# Altium PCB Electronic Load 20251111.PcbDoc (part 5 of 6) (continued)
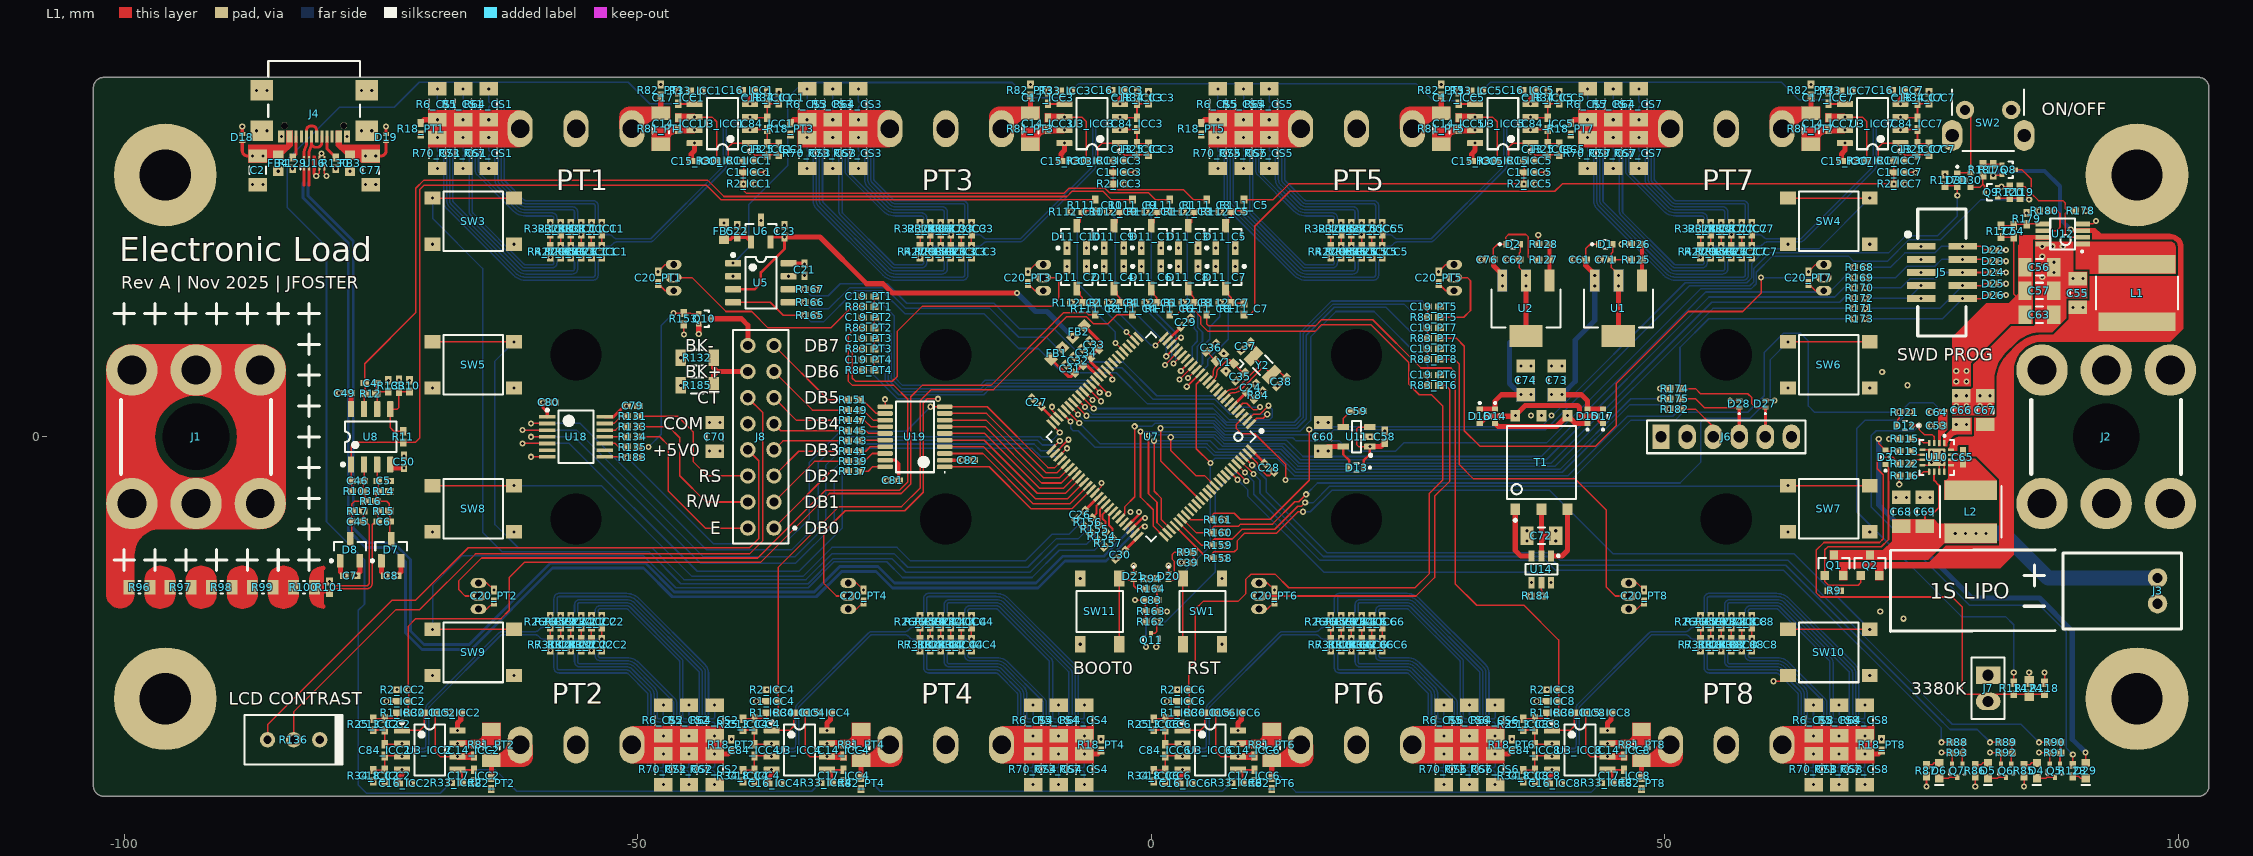
[diagram p0: L1 view]
## Nets (pads, with @x,y where several pads share a name; then routed paths per layer and width w, separated by ;. In a path a pad name is that pad's centre, name@x,y a point inside that pad or via, vN(x,y) a via of type N, cw(c..) or ccw(c..) an arc to the next point about the centre after c; other vN are vias at no path point) (continued)
SHUNT.SH3_CS2_N: NT8_CS2.1 R28_ICC2.2 | length 14.2
  L6 w0.15: v1(-55.5,-20.8) -55.791,-21.091 ccw(c-55.65,-21.233) -55.85,-21.233 -55.85,-21.9 ccw(c-55.65,-21.9) -55.65,-22.1 -51.083,-22.1 cw(c-51.083,-23.2) -50.305,-22.422 -48.422,-24.305 cw(c-49.2,-25.083) -48.1,-25.083 -48.1,-27.275 ccw(c-47.9,-27.275) -47.9,-27.475 -47.7,-27.475 ccw(c-47.7,-27.275) -47.5,-27.275 NT8_CS2.1@-47.5,-26.575
SHUNT.SH3_CS2_P: NT7_CS2.1 R35_ICC2.2 | length 28.1
  L6 w0.15: v1(-56.5,-17.45) -56.209,-17.159 ccw(c-56.35,-17.017) -56.15,-17.017 -56.15,-16.35 cw(c-55.65,-16.35) -55.65,-15.85 -51.083,-15.85 cw(c-51.083,-16.95) -50.305,-16.172 -43.846,-22.631 cw(c-44.2,-22.984) -43.7,-22.984 -43.7,-32.025 ccw(c-43.5,-32.025) -43.5,-32.225 -42.7,-32.225 ccw(c-42.7,-32.025) -42.5,-32.025 NT7_CS2.1@-42.5,-31.325
SHUNT.SH3_CS3_N: NT8_CS3.1 R28_ICC3.2 | length 14.2
  L6 w0.15: NT8_CS3.1@-28.5,26.575 -28.5,27.275 cw(c-28.3,27.275) -28.3,27.475 -28.1,27.475 cw(c-28.1,27.275) -27.9,27.275 -27.9,25.083 ccw(c-26.8,25.083) -27.578,24.305 -25.695,22.422 ccw(c-24.917,23.2) -24.917,22.1 -20.35,22.1 cw(c-20.35,21.9) -20.15,21.9 -20.15,21.233 cw(c-20.35,21.233) -20.209,21.091 v1(-20.5,20.8)
SHUNT.SH3_CS3_P: NT7_CS3.1 R35_ICC3.2 | length 28.1
  L6 w0.15: NT7_CS3.1@-33.5,31.325 -33.5,32.025 cw(c-33.3,32.025) -33.3,32.225 -32.5,32.225 cw(c-32.5,32.025) -32.3,32.025 -32.3,22.984 ccw(c-31.8,22.984) -32.154,22.631 -25.695,16.172 ccw(c-24.917,16.95) -24.917,15.85 -20.35,15.85 ccw(c-20.35,16.35) -19.85,16.35 -19.85,17.017 cw(c-19.65,17.017) -19.791,17.159 v1(-19.5,17.45)
SHUNT.SH3_CS4_N: NT8_CS4.1 R28_ICC4.2 | length 14.2
  L6 w0.15: v1(-19.5,-20.8) -19.791,-21.091 ccw(c-19.65,-21.233) -19.85,-21.233 -19.85,-21.9 ccw(c-19.65,-21.9) -19.65,-22.1 -15.083,-22.1 cw(c-15.083,-23.2) -14.305,-22.422 -12.422,-24.305 cw(c-13.2,-25.083) -12.1,-25.083 -12.1,-27.275 ccw(c-11.9,-27.275) -11.9,-27.475 -11.7,-27.475 ccw(c-11.7,-27.275) -11.5,-27.275 NT8_CS4.1@-11.5,-26.575
SHUNT.SH3_CS4_P: NT7_CS4.1 R35_ICC4.2 | length 28.1
  L6 w0.15: v1(-20.5,-17.45) -20.209,-17.159 ccw(c-20.35,-17.017) -20.15,-17.017 -20.15,-16.35 cw(c-19.65,-16.35) -19.65,-15.85 -15.083,-15.85 cw(c-15.083,-16.95) -14.305,-16.172 -7.846,-22.631 cw(c-8.2,-22.984) -7.7,-22.984 -7.7,-32.025 ccw(c-7.5,-32.025) -7.5,-32.225 -6.7,-32.225 ccw(c-6.7,-32.025) -6.5,-32.025 NT7_CS4.1@-6.5,-31.325
SHUNT.SH3_CS5_N: NT8_CS5.1 R28_ICC5.2 | length 14.2
  L6 w0.15: NT8_CS5.1@11.5,26.575 11.5,27.275 cw(c11.7,27.275) 11.7,27.475 11.9,27.475 cw(c11.9,27.275) 12.1,27.275 12.1,25.083 ccw(c13.2,25.083) 12.422,24.305 14.305,22.422 ccw(c15.083,23.2) 15.083,22.1 19.65,22.1 cw(c19.65,21.9) 19.85,21.9 19.85,21.233 cw(c19.65,21.233) 19.791,21.091 v1(19.5,20.8)
SHUNT.SH3_CS5_P: NT7_CS5.1 R35_ICC5.2 | length 28.1
  L6 w0.15: NT7_CS5.1@6.5,31.325 6.5,32.025 cw(c6.7,32.025) 6.7,32.225 7.5,32.225 cw(c7.5,32.025) 7.7,32.025 7.7,22.984 ccw(c8.2,22.984) 7.846,22.631 14.305,16.172 ccw(c15.083,16.95) 15.083,15.85 19.65,15.85 ccw(c19.65,16.35) 20.15,16.35 20.15,17.017 cw(c20.35,17.017) 20.209,17.159 v1(20.5,17.45)
SHUNT.SH3_CS6_N: NT8_CS6.1 R28_ICC6.2 | length 14.2
  L6 w0.15: v1(20.5,-20.8) 20.209,-21.091 ccw(c20.35,-21.233) 20.15,-21.233 20.15,-21.9 ccw(c20.35,-21.9) 20.35,-22.1 24.917,-22.1 cw(c24.917,-23.2) 25.695,-22.422 27.578,-24.305 cw(c26.8,-25.083) 27.9,-25.083 27.9,-27.275 ccw(c28.1,-27.275) 28.1,-27.475 28.3,-27.475 ccw(c28.3,-27.275) 28.5,-27.275 NT8_CS6.1@28.5,-26.575
SHUNT.SH3_CS6_P: NT7_CS6.1 R35_ICC6.2 | length 28.1
  L6 w0.15: v1(19.5,-17.45) 19.791,-17.159 ccw(c19.65,-17.017) 19.85,-17.017 19.85,-16.35 cw(c20.35,-16.35) 20.35,-15.85 24.917,-15.85 cw(c24.917,-16.95) 25.695,-16.172 32.154,-22.631 cw(c31.8,-22.984) 32.3,-22.984 32.3,-32.025 ccw(c32.5,-32.025) 32.5,-32.225 33.3,-32.225 ccw(c33.3,-32.025) 33.5,-32.025 NT7_CS6.1@33.5,-31.325
SHUNT.SH3_CS7_N: NT8_CS7.1 R28_ICC7.2 | length 14.2
  L6 w0.15: NT8_CS7.1@47.5,26.575 47.5,27.275 cw(c47.7,27.275) 47.7,27.475 47.9,27.475 cw(c47.9,27.275) 48.1,27.275 48.1,25.083 ccw(c49.2,25.083) 48.422,24.305 50.305,22.422 ccw(c51.083,23.2) 51.083,22.1 55.65,22.1 cw(c55.65,21.9) 55.85,21.9 55.85,21.233 cw(c55.65,21.233) 55.791,21.091 v1(55.5,20.8)
SHUNT.SH3_CS7_P: NT7_CS7.1 R35_ICC7.2 | length 28.1
  L6 w0.15: NT7_CS7.1@42.5,31.325 42.5,32.025 cw(c42.7,32.025) 42.7,32.225 43.5,32.225 cw(c43.5,32.025) 43.7,32.025 43.7,22.984 ccw(c44.2,22.984) 43.846,22.631 50.305,16.172 ccw(c51.083,16.95) 51.083,15.85 55.65,15.85 ccw(c55.65,16.35) 56.15,16.35 56.15,17.017 cw(c56.35,17.017) 56.209,17.159 v1(56.5,17.45)
SHUNT.SH3_CS8_N: NT8_CS8.1 R28_ICC8.2 | length 14.2
  L6 w0.15: v1(56.5,-20.8) 56.209,-21.091 ccw(c56.35,-21.233) 56.15,-21.233 56.15,-21.9 ccw(c56.35,-21.9) 56.35,-22.1 60.917,-22.1 cw(c60.917,-23.2) 61.695,-22.422 63.578,-24.305 cw(c62.8,-25.083) 63.9,-25.083 63.9,-27.275 ccw(c64.1,-27.275) 64.1,-27.475 64.3,-27.475 ccw(c64.3,-27.275) 64.5,-27.275 NT8_CS8.1@64.5,-26.575
SHUNT.SH3_CS8_P: NT7_CS8.1 R35_ICC8.2 | length 28.1
  L6 w0.15: v1(55.5,-17.45) 55.791,-17.159 ccw(c55.65,-17.017) 55.85,-17.017 55.85,-16.35 cw(c56.35,-16.35) 56.35,-15.85 60.917,-15.85 cw(c60.917,-16.95) 61.695,-16.172 68.154,-22.631 cw(c67.8,-22.984) 68.3,-22.984 68.3,-32.025 ccw(c68.5,-32.025) 68.5,-32.225 69.3,-32.225 ccw(c69.3,-32.025) 69.5,-32.025 NT7_CS8.1@69.5,-31.325
SHUNT.SH4_CS1_N: NT6_CS1.1 R29_ICC1.2 | length 27.7
  L6 w0.15: NT6_CS1.1@-69.5,33.425 -69.5,32.725 ccw(c-69.3,32.725) -69.3,32.525 -68.5,32.525 cw(c-68.5,32.025) -68,32.025 -68,22.984 ccw(c-67.8,22.984) -67.941,22.843 -61.483,16.384 ccw(c-60.917,16.95) -60.917,16.15 -56.35,16.15 ccw(c-56.35,16.35) -56.15,16.35 -56.15,17.017 ccw(c-56.35,17.017) -56.209,17.159 v1(-56.5,17.45)
SHUNT.SH4_CS1_P: NT5_CS1.1 R36_ICC1.2 | length 25.9
  L6 w0.15: NT5_CS1.1@-69.5,28.675 -69.5,27.975 ccw(c-69.3,27.975) -69.3,27.775 -69.1,27.775 cw(c-69.1,27.275) -68.6,27.275 -68.6,22.984 ccw(c-67.8,22.984) -68.366,22.419 -61.907,15.96 ccw(c-60.917,16.95) -60.917,15.55 -54.35,15.55 ccw(c-54.35,15.75) -54.15,15.75 -54.15,17.017 ccw(c-54.35,17.017) -54.208,17.158 v1(-54.5,17.45)
SHUNT.SH4_CS2_N: NT6_CS2.1 R29_ICC2.2 | length 27.7
  L6 w0.15: v1(-55.5,-17.45) -55.791,-17.159 cw(c-55.65,-17.017) -55.85,-17.017 -55.85,-16.35 cw(c-55.65,-16.35) -55.65,-16.15 -51.083,-16.15 cw(c-51.083,-16.95) -50.517,-16.384 -44.059,-22.843 cw(c-44.2,-22.984) -44,-22.984 -44,-32.025 ccw(c-43.5,-32.025) -43.5,-32.525 -42.7,-32.525 cw(c-42.7,-32.725) -42.5,-32.725 NT6_CS2.1@-42.5,-33.425
SHUNT.SH4_CS2_P: NT5_CS2.1 R36_ICC2.2 | length 25.9
  L6 w0.15: -57.792,-17.158 cw(c-57.65,-17.017) -57.85,-17.017 -57.85,-15.75 cw(c-57.65,-15.75) -57.65,-15.55 -51.083,-15.55 cw(c-51.083,-16.95) -50.093,-15.96 -43.634,-22.419 cw(c-44.2,-22.984) -43.4,-22.984 -43.4,-27.275 ; -57.791,-17.159 v1(-57.5,-17.45) ; -43.4,-27.275 ccw(c-42.9,-27.275) -42.9,-27.775 -42.7,-27.775 cw(c-42.7,-27.975) -42.5,-27.975 NT5_CS2.1@-42.5,-28.675
SHUNT.SH4_CS3_N: NT6_CS3.1 R29_ICC3.2 | length 27.7
  L6 w0.15: NT6_CS3.1@-33.5,33.425 -33.5,32.725 ccw(c-33.3,32.725) -33.3,32.525 -32.5,32.525 cw(c-32.5,32.025) -32,32.025 -32,22.984 ccw(c-31.8,22.984) -31.941,22.843 -25.483,16.384 ccw(c-24.917,16.95) -24.917,16.15 -20.35,16.15 ccw(c-20.35,16.35) -20.15,16.35 -20.15,17.017 ccw(c-20.35,17.017) -20.209,17.159 v1(-20.5,17.45)
SHUNT.SH4_CS3_P: NT5_CS3.1 R36_ICC3.2 | length 25.9
  L6 w0.15: NT5_CS3.1@-33.5,28.675 -33.5,27.975 ccw(c-33.3,27.975) -33.3,27.775 -33.1,27.775 cw(c-33.1,27.275) -32.6,27.275 -32.6,22.984 ccw(c-31.8,22.984) -32.366,22.419 -25.907,15.96 ccw(c-24.917,16.95) -24.917,15.55 -18.35,15.55 ccw(c-18.35,15.75) -18.15,15.75 -18.15,17.017 ccw(c-18.35,17.017) -18.208,17.158 v1(-18.5,17.45)
SHUNT.SH4_CS4_N: NT6_CS4.1 R29_ICC4.2 | length 27.7
  L6 w0.15: v1(-19.5,-17.45) -19.791,-17.159 cw(c-19.65,-17.017) -19.85,-17.017 -19.85,-16.35 cw(c-19.65,-16.35) -19.65,-16.15 -15.083,-16.15 cw(c-15.083,-16.95) -14.517,-16.384 -8.059,-22.843 cw(c-8.2,-22.984) -8,-22.984 -8,-32.025 ccw(c-7.5,-32.025) -7.5,-32.525 -6.7,-32.525 cw(c-6.7,-32.725) -6.5,-32.725 NT6_CS4.1@-6.5,-33.425
SHUNT.SH4_CS4_P: NT5_CS4.1 R36_ICC4.2 | length 25.9
  L6 w0.15: v1(-21.5,-17.45) -21.791,-17.159 cw(c-21.65,-17.017) -21.85,-17.017 -21.85,-15.75 cw(c-21.65,-15.75) -21.65,-15.55 -15.083,-15.55 cw(c-15.083,-16.95) -14.093,-15.96 -7.634,-22.419 cw(c-8.2,-22.984) -7.4,-22.984 -7.4,-27.275 ccw(c-6.9,-27.275) -6.9,-27.775 -6.7,-27.775 cw(c-6.7,-27.975) -6.5,-27.975 NT5_CS4.1@-6.5,-28.675
SHUNT.SH4_CS5_N: NT6_CS5.1 R29_ICC5.2 | length 27.7
  L6 w0.15: NT6_CS5.1@6.5,33.425 6.5,32.725 ccw(c6.7,32.725) 6.7,32.525 7.5,32.525 cw(c7.5,32.025) 8,32.025 8,22.984 ccw(c8.2,22.984) 8.059,22.843 14.517,16.384 ccw(c15.083,16.95) 15.083,16.15 19.65,16.15 ccw(c19.65,16.35) 19.85,16.35 19.85,17.017 ccw(c19.65,17.017) 19.791,17.159 v1(19.5,17.45)
SHUNT.SH4_CS5_P: NT5_CS5.1 R36_ICC5.2 | length 25.9
  L6 w0.15: NT5_CS5.1@6.5,28.675 6.5,27.975 ccw(c6.7,27.975) 6.7,27.775 6.9,27.775 cw(c6.9,27.275) 7.4,27.275 ; 7.4,27.275 7.4,22.984 ccw(c8.2,22.984) 7.634,22.419 14.093,15.96 ccw(c15.083,16.95) 15.083,15.55 21.65,15.55 ccw(c21.65,15.75) 21.85,15.75 21.85,17.017 ccw(c21.65,17.017) 21.792,17.158 ; v1(21.5,17.45) 21.791,17.159
SHUNT.SH4_CS6_N: NT6_CS6.1 R29_ICC6.2 | length 27.7
  L6 w0.15: v1(20.5,-17.45) 20.209,-17.159 cw(c20.35,-17.017) 20.15,-17.017 20.15,-16.35 cw(c20.35,-16.35) 20.35,-16.15 24.917,-16.15 cw(c24.917,-16.95) 25.483,-16.384 31.941,-22.843 cw(c31.8,-22.984) 32,-22.984 32,-32.025 ccw(c32.5,-32.025) 32.5,-32.525 33.3,-32.525 cw(c33.3,-32.725) 33.5,-32.725 NT6_CS6.1@33.5,-33.425
SHUNT.SH4_CS6_P: NT5_CS6.1 R36_ICC6.2 | length 25.9
  L6 w0.15: v1(18.5,-17.45) 18.209,-17.159 cw(c18.35,-17.017) 18.15,-17.017 18.15,-15.75 cw(c18.35,-15.75) 18.35,-15.55 24.917,-15.55 cw(c24.917,-16.95) 25.907,-15.96 32.366,-22.419 cw(c31.8,-22.984) 32.6,-22.984 32.6,-27.275 ccw(c33.1,-27.275) 33.1,-27.775 33.3,-27.775 cw(c33.3,-27.975) 33.5,-27.975 NT5_CS6.1@33.5,-28.675
SHUNT.SH4_CS7_N: NT6_CS7.1 R29_ICC7.2 | length 27.7
  L6 w0.15: NT6_CS7.1@42.5,33.425 42.5,32.725 ccw(c42.7,32.725) 42.7,32.525 43.5,32.525 cw(c43.5,32.025) 44,32.025 44,22.984 ccw(c44.2,22.984) 44.059,22.843 50.517,16.384 ccw(c51.083,16.95) 51.083,16.15 55.65,16.15 ccw(c55.65,16.35) 55.85,16.35 55.85,17.017 ccw(c55.65,17.017) 55.791,17.159 v1(55.5,17.45)
SHUNT.SH4_CS7_P: NT5_CS7.1 R36_ICC7.2 | length 25.9
  L6 w0.15: NT5_CS7.1@42.5,28.675 42.5,27.975 ccw(c42.7,27.975) 42.7,27.775 42.9,27.775 cw(c42.9,27.275) 43.4,27.275 43.4,22.984 ccw(c44.2,22.984) 43.634,22.419 50.093,15.96 ccw(c51.083,16.95) 51.083,15.55 57.65,15.55 ccw(c57.65,15.75) 57.85,15.75 57.85,17.017 ccw(c57.65,17.017) 57.792,17.158 v1(57.5,17.45)
SHUNT.SH4_CS8_N: NT6_CS8.1 R29_ICC8.2 | length 27.7
  L6 w0.15: v1(56.5,-17.45) 56.209,-17.159 cw(c56.35,-17.017) 56.15,-17.017 56.15,-16.35 cw(c56.35,-16.35) 56.35,-16.15 60.917,-16.15 cw(c60.917,-16.95) 61.483,-16.384 67.941,-22.843 cw(c67.8,-22.984) 68,-22.984 68,-32.025 ccw(c68.5,-32.025) 68.5,-32.525 69.3,-32.525 cw(c69.3,-32.725) 69.5,-32.725 NT6_CS8.1@69.5,-33.425
SHUNT.SH4_CS8_P: NT5_CS8.1 R36_ICC8.2 | length 25.9
  L6 w0.15: 54.208,-17.158 cw(c54.35,-17.017) 54.15,-17.017 54.15,-15.75 cw(c54.35,-15.75) 54.35,-15.55 60.917,-15.55 cw(c60.917,-16.95) 61.907,-15.96 68.366,-22.419 cw(c67.8,-22.984) 68.6,-22.984 68.6,-27.275 ccw(c69.1,-27.275) 69.1,-27.775 69.3,-27.775 cw(c69.3,-27.975) 69.5,-27.975 NT5_CS8.1@69.5,-28.675 ; 54.209,-17.159 v1(54.5,-17.45)
SHUNT.SH5_CS1_N: NT4_CS1.1 R3_ICC1.2 | length 19
  L6 w0.15: NT4_CS1.1@-67,33.425 -67,32.725 ccw(c-66.8,32.725) -66.8,32.525 -66,32.525 cw(c-66,32.025) -65.5,32.025 -65.5,25.886 ccw(c-65.3,25.886) -65.441,25.744 -61.907,22.21 ccw(c-60.917,23.2) -60.917,21.8 -58.35,21.8 cw(c-58.35,21.3) -57.85,21.3 -57.85,21.233 ccw(c-57.65,21.233) -57.791,21.091 v1(-57.5,20.8)
SHUNT.SH5_CS1_P: NT3_CS1.1 R4_ICC1.2 | length 18.2
  L6 w0.15: NT3_CS1.1@-67,28.675 -67,27.975 ccw(c-66.8,27.975) -66.8,27.775 -66.6,27.775 cw(c-66.6,27.275) -66.1,27.275 -66.1,21.933 ccw(c-65.9,21.933) -66.041,21.791 -61.059,16.809 ccw(c-60.917,16.95) -60.917,16.75 -58.35,16.75 ccw(c-58.35,16.95) -58.15,16.95 -58.15,17.017 ccw(c-58.35,17.017) -58.209,17.159 v1(-58.5,17.45)
SHUNT.SH5_CS2_N: NT4_CS2.1 R3_ICC2.2 | length 19
  L6 w0.15: v1(-54.5,-20.8) -54.209,-21.091 cw(c-54.35,-21.233) -54.15,-21.233 -54.15,-21.3 ccw(c-53.65,-21.3) -53.65,-21.8 -51.083,-21.8 cw(c-51.083,-23.2) -50.093,-22.21 -46.559,-25.744 cw(c-46.7,-25.886) -46.5,-25.886 -46.5,-32.025 ccw(c-46,-32.025) -46,-32.525 -45.2,-32.525 cw(c-45.2,-32.725) -45,-32.725 NT4_CS2.1@-45,-33.425
SHUNT.SH5_CS2_P: NT3_CS2.1 R4_ICC2.2 | length 18.2
  L6 w0.15: v1(-53.5,-17.45) -53.791,-17.159 cw(c-53.65,-17.017) -53.85,-17.017 -53.85,-16.95 cw(c-53.65,-16.95) -53.65,-16.75 -51.083,-16.75 cw(c-51.083,-16.95) -50.941,-16.809 -45.959,-21.791 cw(c-46.1,-21.933) -45.9,-21.933 -45.9,-27.275 ccw(c-45.4,-27.275) -45.4,-27.775 -45.2,-27.775 cw(c-45.2,-27.975) -45,-27.975 NT3_CS2.1@-45,-28.675
SHUNT.SH5_CS3_N: NT4_CS3.1 R3_ICC3.2 | length 19
  L6 w0.15: NT4_CS3.1@-31,33.425 -31,32.725 ccw(c-30.8,32.725) -30.8,32.525 -30,32.525 cw(c-30,32.025) -29.5,32.025 -29.5,25.886 ccw(c-29.3,25.886) -29.441,25.744 -25.907,22.21 ccw(c-24.917,23.2) -24.917,21.8 -22.35,21.8 cw(c-22.35,21.3) -21.85,21.3 -21.85,21.233 ccw(c-21.65,21.233) -21.791,21.091 v1(-21.5,20.8)
SHUNT.SH5_CS3_P: NT3_CS3.1 R4_ICC3.2 | length 18.2
  L6 w0.15: NT3_CS3.1@-31,28.675 -31,27.975 ccw(c-30.8,27.975) -30.8,27.775 -30.6,27.775 cw(c-30.6,27.275) -30.1,27.275 -30.1,21.933 ccw(c-29.9,21.933) -30.041,21.791 -25.059,16.809 ccw(c-24.917,16.95) -24.917,16.75 -22.35,16.75 ccw(c-22.35,16.95) -22.15,16.95 -22.15,17.017 ccw(c-22.35,17.017) -22.209,17.159 v1(-22.5,17.45)
SHUNT.SH5_CS4_N: NT4_CS4.1 R3_ICC4.2 | length 19
  L6 w0.15: v1(-18.5,-20.8) -18.209,-21.091 cw(c-18.35,-21.233) -18.15,-21.233 -18.15,-21.3 ccw(c-17.65,-21.3) -17.65,-21.8 -15.083,-21.8 cw(c-15.083,-23.2) -14.093,-22.21 -10.559,-25.744 cw(c-10.7,-25.886) -10.5,-25.886 -10.5,-32.025 ccw(c-10,-32.025) -10,-32.525 -9.2,-32.525 cw(c-9.2,-32.725) -9,-32.725 NT4_CS4.1@-9,-33.425
SHUNT.SH5_CS4_P: NT3_CS4.1 R4_ICC4.2 | length 18.2
  L6 w0.15: v1(-17.5,-17.45) -17.791,-17.159 cw(c-17.65,-17.017) -17.85,-17.017 -17.85,-16.95 cw(c-17.65,-16.95) -17.65,-16.75 -15.083,-16.75 cw(c-15.083,-16.95) -14.941,-16.809 -9.959,-21.791 cw(c-10.1,-21.933) -9.9,-21.933 -9.9,-27.275 ccw(c-9.4,-27.275) -9.4,-27.775 -9.2,-27.775 cw(c-9.2,-27.975) -9,-27.975 NT3_CS4.1@-9,-28.675
SHUNT.SH5_CS5_N: NT4_CS5.1 R3_ICC5.2 | length 19
  L6 w0.15: NT4_CS5.1@9,33.425 9,32.725 ccw(c9.2,32.725) 9.2,32.525 10,32.525 cw(c10,32.025) 10.5,32.025 10.5,25.886 ccw(c10.7,25.886) 10.559,25.744 14.093,22.21 ccw(c15.083,23.2) 15.083,21.8 17.65,21.8 cw(c17.65,21.3) 18.15,21.3 18.15,21.233 ccw(c18.35,21.233) 18.209,21.091 v1(18.5,20.8)
SHUNT.SH5_CS5_P: NT3_CS5.1 R4_ICC5.2 | length 18.2
  L6 w0.15: NT3_CS5.1@9,28.675 9,27.975 ccw(c9.2,27.975) 9.2,27.775 9.4,27.775 cw(c9.4,27.275) 9.9,27.275 9.9,21.933 ccw(c10.1,21.933) 9.959,21.791 14.941,16.809 ccw(c15.083,16.95) 15.083,16.75 17.65,16.75 ccw(c17.65,16.95) 17.85,16.95 17.85,17.017 ccw(c17.65,17.017) 17.791,17.159 v1(17.5,17.45)
SHUNT.SH5_CS6_N: NT4_CS6.1 R3_ICC6.2 | length 19
  L6 w0.15: v1(21.5,-20.8) 21.791,-21.091 cw(c21.65,-21.233) 21.85,-21.233 21.85,-21.3 ccw(c22.35,-21.3) 22.35,-21.8 24.917,-21.8 cw(c24.917,-23.2) 25.907,-22.21 29.441,-25.744 cw(c29.3,-25.886) 29.5,-25.886 29.5,-32.025 ccw(c30,-32.025) 30,-32.525 30.8,-32.525 cw(c30.8,-32.725) 31,-32.725 NT4_CS6.1@31,-33.425
SHUNT.SH5_CS6_P: NT3_CS6.1 R4_ICC6.2 | length 18.2
  L6 w0.15: v1(22.5,-17.45) 22.209,-17.159 cw(c22.35,-17.017) 22.15,-17.017 22.15,-16.95 cw(c22.35,-16.95) 22.35,-16.75 24.917,-16.75 cw(c24.917,-16.95) 25.059,-16.809 30.041,-21.791 cw(c29.9,-21.933) 30.1,-21.933 30.1,-27.275 ccw(c30.6,-27.275) 30.6,-27.775 30.8,-27.775 cw(c30.8,-27.975) 31,-27.975 NT3_CS6.1@31,-28.675
SHUNT.SH5_CS7_N: NT4_CS7.1 R3_ICC7.2 | length 19
  L6 w0.15: NT4_CS7.1@45,33.425 45,32.725 ccw(c45.2,32.725) 45.2,32.525 46,32.525 cw(c46,32.025) 46.5,32.025 46.5,25.886 ccw(c46.7,25.886) 46.559,25.744 50.093,22.21 ccw(c51.083,23.2) 51.083,21.8 53.65,21.8 cw(c53.65,21.3) 54.15,21.3 54.15,21.233 ccw(c54.35,21.233) 54.209,21.091 v1(54.5,20.8)
SHUNT.SH5_CS7_P: NT3_CS7.1 R4_ICC7.2 | length 18.2
  L6 w0.15: NT3_CS7.1@45,28.675 45,27.975 ccw(c45.2,27.975) 45.2,27.775 45.4,27.775 cw(c45.4,27.275) 45.9,27.275 45.9,21.933 ccw(c46.1,21.933) 45.959,21.791 50.941,16.809 ccw(c51.083,16.95) 51.083,16.75 53.65,16.75 ccw(c53.65,16.95) 53.85,16.95 53.85,17.017 ccw(c53.65,17.017) 53.791,17.159 v1(53.5,17.45)
SHUNT.SH5_CS8_N: NT4_CS8.1 R3_ICC8.2 | length 19
  L6 w0.15: v1(57.5,-20.8) 57.791,-21.091 cw(c57.65,-21.233) 57.85,-21.233 57.85,-21.3 ccw(c58.35,-21.3) 58.35,-21.8 60.917,-21.8 cw(c60.917,-23.2) 61.907,-22.21 65.441,-25.744 cw(c65.3,-25.886) 65.5,-25.886 65.5,-32.025 ccw(c66,-32.025) 66,-32.525 66.8,-32.525 cw(c66.8,-32.725) 67,-32.725 NT4_CS8.1@67,-33.425
SHUNT.SH5_CS8_P: NT3_CS8.1 R4_ICC8.2 | length 18.2
  L6 w0.15: v1(58.5,-17.45) 58.209,-17.159 cw(c58.35,-17.017) 58.15,-17.017 58.15,-16.95 cw(c58.35,-16.95) 58.35,-16.75 60.917,-16.75 cw(c60.917,-16.95) 61.059,-16.809 66.041,-21.791 cw(c65.9,-21.933) 66.1,-21.933 66.1,-27.275 ccw(c66.6,-27.275) 66.6,-27.775 66.8,-27.775 cw(c66.8,-27.975) 67,-27.975 NT3_CS8.1@67,-28.675
SHUNT.SH6_CS1_N: NT2_CS1.1 R7_ICC1.2 | length 21.7
  L6 w0.15: NT2_CS1.1@-64.5,33.425 -64.5,32.725 ccw(c-64.3,32.725) -64.3,32.525 -63.5,32.525 cw(c-63.5,32.025) -63,32.025 -63,25.083 ccw(c-62.8,25.083) -62.941,24.941 -61.059,23.059 ccw(c-60.917,23.2) -60.917,23 -54.35,23 cw(c-54.35,22.5) -53.85,22.5 -53.85,21.233 ccw(c-53.65,21.233) -53.791,21.091 v1(-53.5,20.8)
SHUNT.SH6_CS1_P: NT1_CS1.1 R8_ICC1.2 | length 14.7
  L6 w0.15: NT1_CS1.1@-64.5,28.675 -64.5,27.975 ccw(c-64.3,27.975) -64.3,27.775 -64.1,27.775 cw(c-64.1,27.275) -63.6,27.275 -63.6,25.083 ccw(c-62.8,25.083) -63.366,24.517 -61.483,22.634 ccw(c-60.917,23.2) -60.917,22.4 -56.35,22.4 cw(c-56.35,21.9) -55.85,21.9 -55.85,21.233 ccw(c-55.65,21.233) -55.791,21.091 v1(-55.5,20.8)
SHUNT.SH6_CS2_N: NT2_CS2.1 R7_ICC2.2 | length 21.7
  L6 w0.15: v1(-58.5,-20.8) -58.209,-21.091 cw(c-58.35,-21.233) -58.15,-21.233 -58.15,-22.5 ccw(c-57.65,-22.5) -57.65,-23 -51.083,-23 cw(c-51.083,-23.2) -50.941,-23.059 -49.059,-24.941 cw(c-49.2,-25.083) -49,-25.083 -49,-32.025 ccw(c-48.5,-32.025) -48.5,-32.525 -47.7,-32.525 cw(c-47.7,-32.725) -47.5,-32.725 NT2_CS2.1@-47.5,-33.425
SHUNT.SH6_CS2_P: NT1_CS2.1 R8_ICC2.2 | length 14.7
  L6 w0.15: v1(-56.5,-20.8) -56.209,-21.091 cw(c-56.35,-21.233) -56.15,-21.233 -56.15,-21.9 ccw(c-55.65,-21.9) -55.65,-22.4 -51.083,-22.4 cw(c-51.083,-23.2) -50.517,-22.634 -48.634,-24.517 cw(c-49.2,-25.083) -48.4,-25.083 -48.4,-27.275 ccw(c-47.9,-27.275) -47.9,-27.775 -47.7,-27.775 cw(c-47.7,-27.975) -47.5,-27.975 NT1_CS2.1@-47.5,-28.675
SHUNT.SH6_CS3_N: NT2_CS3.1 R7_ICC3.2 | length 21.7
  L6 w0.15: NT2_CS3.1@-28.5,33.425 -28.5,32.725 ccw(c-28.3,32.725) -28.3,32.525 -27.5,32.525 cw(c-27.5,32.025) -27,32.025 -27,25.083 ccw(c-26.8,25.083) -26.941,24.941 -25.059,23.059 ccw(c-24.917,23.2) -24.917,23 -18.35,23 cw(c-18.35,22.5) -17.85,22.5 -17.85,21.233 ccw(c-17.65,21.233) -17.791,21.091 v1(-17.5,20.8)
SHUNT.SH6_CS3_P: NT1_CS3.1 R8_ICC3.2 | length 14.7
  L6 w0.15: NT1_CS3.1@-28.5,28.675 -28.5,27.975 ccw(c-28.3,27.975) -28.3,27.775 -28.1,27.775 cw(c-28.1,27.275) -27.6,27.275 -27.6,25.083 ccw(c-26.8,25.083) -27.366,24.517 -25.483,22.634 ccw(c-24.917,23.2) -24.917,22.4 -20.35,22.4 cw(c-20.35,21.9) -19.85,21.9 -19.85,21.233 ccw(c-19.65,21.233) -19.791,21.091 v1(-19.5,20.8)
SHUNT.SH6_CS4_N: NT2_CS4.1 R7_ICC4.2 | length 21.7
  L6 w0.15: v1(-22.5,-20.8) -22.209,-21.091 cw(c-22.35,-21.233) -22.15,-21.233 -22.15,-22.5 ccw(c-21.65,-22.5) -21.65,-23 -15.083,-23 cw(c-15.083,-23.2) -14.941,-23.059 -13.059,-24.941 cw(c-13.2,-25.083) -13,-25.083 -13,-32.025 ccw(c-12.5,-32.025) -12.5,-32.525 -11.7,-32.525 cw(c-11.7,-32.725) -11.5,-32.725 NT2_CS4.1@-11.5,-33.425
SHUNT.SH6_CS4_P: NT1_CS4.1 R8_ICC4.2 | length 14.7
  L6 w0.15: v1(-20.5,-20.8) -20.209,-21.091 cw(c-20.35,-21.233) -20.15,-21.233 -20.15,-21.9 ccw(c-19.65,-21.9) -19.65,-22.4 -15.083,-22.4 cw(c-15.083,-23.2) -14.517,-22.634 -12.634,-24.517 cw(c-13.2,-25.083) -12.4,-25.083 -12.4,-27.275 ccw(c-11.9,-27.275) -11.9,-27.775 -11.7,-27.775 cw(c-11.7,-27.975) -11.5,-27.975 NT1_CS4.1@-11.5,-28.675
SHUNT.SH6_CS5_N: NT2_CS5.1 R7_ICC5.2 | length 21.7
  L6 w0.15: NT2_CS5.1@11.5,33.425 11.5,32.725 ccw(c11.7,32.725) 11.7,32.525 12.5,32.525 cw(c12.5,32.025) 13,32.025 13,25.083 ccw(c13.2,25.083) 13.059,24.941 14.941,23.059 ccw(c15.083,23.2) 15.083,23 21.65,23 cw(c21.65,22.5) 22.15,22.5 22.15,21.233 ccw(c22.35,21.233) 22.209,21.091 v1(22.5,20.8)
SHUNT.SH6_CS5_P: NT1_CS5.1 R8_ICC5.2 | length 14.7
  L6 w0.15: NT1_CS5.1@11.5,28.675 11.5,27.975 ccw(c11.7,27.975) 11.7,27.775 11.9,27.775 cw(c11.9,27.275) 12.4,27.275 ; 12.4,27.275 12.4,25.083 ccw(c13.2,25.083) 12.634,24.517 14.517,22.634 ccw(c15.083,23.2) 15.083,22.4 19.65,22.4 cw(c19.65,21.9) 20.15,21.9 20.15,21.233 ccw(c20.35,21.233) 20.209,21.091 v1(20.5,20.8)
SHUNT.SH6_CS6_N: NT2_CS6.1 R7_ICC6.2 | length 21.7
  L6 w0.15: v1(17.5,-20.8) 17.791,-21.091 cw(c17.65,-21.233) 17.85,-21.233 17.85,-22.5 ccw(c18.35,-22.5) 18.35,-23 24.917,-23 cw(c24.917,-23.2) 25.059,-23.059 26.941,-24.941 cw(c26.8,-25.083) 27,-25.083 27,-32.025 ccw(c27.5,-32.025) 27.5,-32.525 28.3,-32.525 cw(c28.3,-32.725) 28.5,-32.725 NT2_CS6.1@28.5,-33.425
SHUNT.SH6_CS6_P: NT1_CS6.1 R8_ICC6.2 | length 14.7
  L6 w0.15: v1(19.5,-20.8) 19.791,-21.091 cw(c19.65,-21.233) 19.85,-21.233 19.85,-21.9 ccw(c20.35,-21.9) 20.35,-22.4 24.917,-22.4 cw(c24.917,-23.2) 25.483,-22.634 27.366,-24.517 cw(c26.8,-25.083) 27.6,-25.083 27.6,-27.275 ccw(c28.1,-27.275) 28.1,-27.775 28.3,-27.775 cw(c28.3,-27.975) 28.5,-27.975 NT1_CS6.1@28.5,-28.675
SHUNT.SH6_CS7_N: NT2_CS7.1 R7_ICC7.2 | length 21.7
  L6 w0.15: NT2_CS7.1@47.5,33.425 47.5,32.725 ccw(c47.7,32.725) 47.7,32.525 48.5,32.525 cw(c48.5,32.025) 49,32.025 49,25.083 ccw(c49.2,25.083) 49.059,24.941 50.941,23.059 ccw(c51.083,23.2) 51.083,23 57.65,23 cw(c57.65,22.5) 58.15,22.5 58.15,21.233 ccw(c58.35,21.233) 58.209,21.091 v1(58.5,20.8)
SHUNT.SH6_CS7_P: NT1_CS7.1 R8_ICC7.2 | length 14.7
  L6 w0.15: NT1_CS7.1@47.5,28.675 47.5,27.975 ccw(c47.7,27.975) 47.7,27.775 47.9,27.775 cw(c47.9,27.275) 48.4,27.275 48.4,25.083 ccw(c49.2,25.083) 48.634,24.517 50.517,22.634 ccw(c51.083,23.2) 51.083,22.4 55.65,22.4 cw(c55.65,21.9) 56.15,21.9 56.15,21.233 ccw(c56.35,21.233) 56.209,21.091 v1(56.5,20.8)
SHUNT.SH6_CS8_N: NT2_CS8.1 R7_ICC8.2 | length 21.7
  L6 w0.15: v1(53.5,-20.8) 53.791,-21.091 cw(c53.65,-21.233) 53.85,-21.233 53.85,-22.5 ccw(c54.35,-22.5) 54.35,-23 60.917,-23 cw(c60.917,-23.2) 61.059,-23.059 62.941,-24.941 cw(c62.8,-25.083) 63,-25.083 63,-32.025 ccw(c63.5,-32.025) 63.5,-32.525 64.3,-32.525 cw(c64.3,-32.725) 64.5,-32.725 NT2_CS8.1@64.5,-33.425